# EAGLE board makey_makey_panel_v13 (EAGLE 6.5.0), part 4 of 4
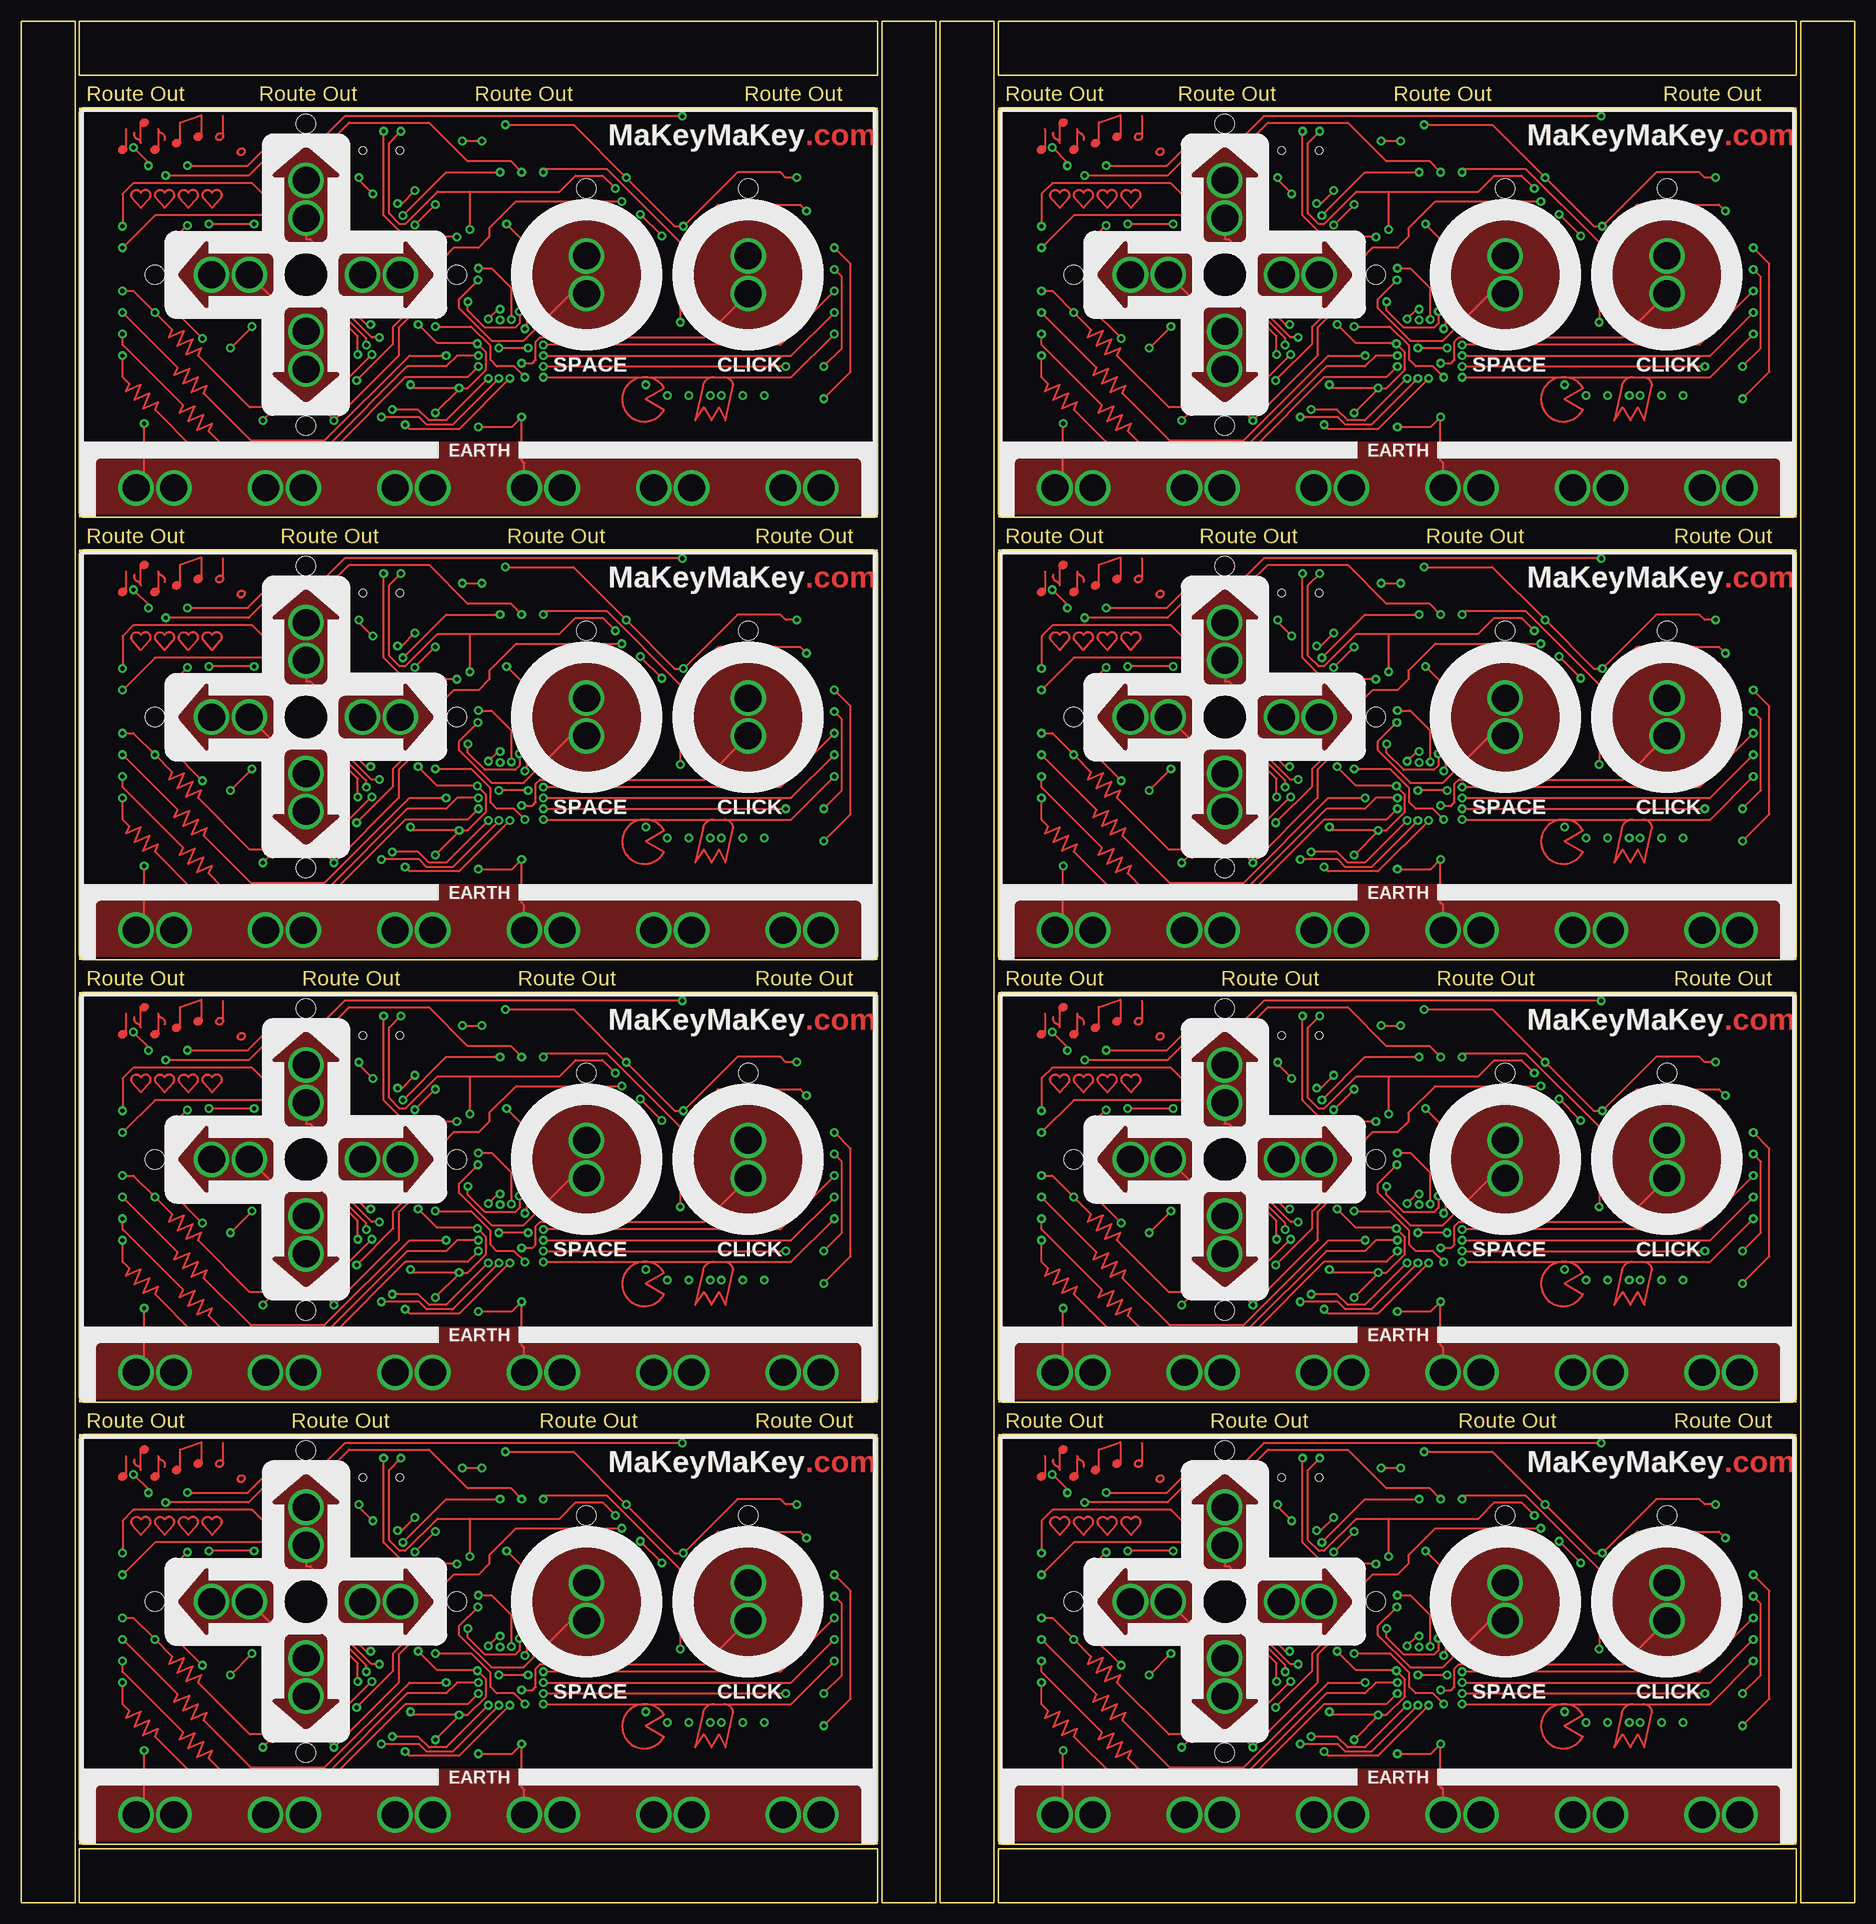
[diagram p0: board, top side]
## Tracks (layer width: path | path; a pad name or v marks a point on that pad's centre or on a via) (continued)
N$171  (via drill 0.51) (continued)
  Bottom 0.254: 139.93,71.88 144.91,71.88 145.16,71.63 R169.2 146.6,73.95 v147.7,75.06 | LED61.A 125.07,89.3 139.93,74.44 139.93,71.88 | v159.51,91.95 LED59.C | v150.88,104.39 149.99,103.5 144.15,103.5 143.53,104.12 LED60.A | LED62.C 139.93,71.88
N$172  (via drill 0.51)
  Top 0.254: v136.65,70.36 137.54,71.25 144.15,71.25 v145.03,70.36 152.65,77.98 152.65,81.28 157.86,86.49 157.86,89.41 159.13,90.68 162.05,90.68 163.32,91.95 163.32,92.96 166.5,96.14 v178.94,96.14
  Bottom 0.254: LED61.C 127.78,85.7 136.65,76.83 v136.65,70.36 | LED62.A 144.4,69.72 v145.03,70.36 R168.2 | LED57.A 195.6,96.67 195.07,96.14 v178.94,96.14 173.48,96.14 172.95,96.67 LED58.C
N$173  (via drill 0.51)
  Top 0.254: 161.04,97.28 157.23,97.28 153.42,93.47 152.78,93.47 151.51,94.74 151.51,103 v152.91,104.39 | 161.04,97.28 171.58,97.28 173.48,99.19 176.66,99.19 v178.18,97.66 | v161.04,92.84 161.04,97.28
  Bottom 0.254: v161.04,92.84 161.04,91.57 | 161.04,91.57 161.04,86.36 160.38,85.7 LED59.A | v152.91,104.39 151.51,103 140.84,103 139.93,103.91 LED60.C | LED58.A v178.18,97.66 LED57.C | R170.2 161.07,91.53 161.04,91.57
N$174
  Bottom 0.254: X6.VBUS 149.02,97.97 148.46,97.41 145.92,97.41 145.54,97.03 F6.1
N$175
  Bottom 0.254: LED56.C 149.36,95.6 R155.2
N$176
  Bottom 0.254: LED66.A R173.1
  pour Top: 160.3,66.92 160.3,66.98 160.62,67.3 160.93,66.98 160.93,66.92
N$177
  Bottom 0.254: R174.1 LED65.A
  pour Top: 161.71,66.84 161.71,67.34 162.19,67.34 162.34,67.19 162.34,66.85 162.19,66.7 161.71,66.7 161.71,66.84 161.7,66.84
N$178  (via drill 0.51)
  other vias: 181.74,74.55
N$179  (via drill 0.51)
  other vias: 184.28,73.28
N$180  (via drill 0.51)
  other vias: 186.82,73.28
N$181  (via drill 0.51)
  other vias: 189.36,73.28
N$182  (via drill 0.51)
  other vias: 190.63,73.28
N$183  (via drill 0.51)
  other vias: 193.17,73.28
N$184  (via drill 0.51)
  other vias: 195.71,73.28
N$185
  Top 0.254: 134.49,102.23 arc-160 133.73,101.73 arc-160 134.49,102.23
N$186
  Top 0.254: 122.3,105.16 122.3,103 arc70 121.79,103.5 arc-70 121.54,104.27 | 122.3,105.16 122.3,105.28 | 122.56,105.28 arc-160 122.81,105.54 | 122.81,105.54 arc-160 122.56,105.28 | 122.81,105.54 arc160 122.68,105.41 arc160 122.81,105.54 | 122.3,105.16 arc-160 123.06,105.66 arc-160 122.3,105.16 | 122.43,105.16 arc-160 122.94,105.66 arc-160 122.43,105.16 | 122.3,105.41 122.3,105.28 | 122.3,105.28 122.43,105.16 | 122.43,105.16 122.3,105.16 | 122.43,105.16 122.56,105.28
N$187
  Top 0.254: 126.87,103.25 126.87,105.41 129.41,106.3 129.41,104.01 | 126.87,103.25 126.87,103 126.75,103 126.62,103.12 | 129.41,104.01 129.41,103.76 129.03,103.76 | 126.75,103.25 arc-160 126.24,102.74 | 126.24,102.74 arc-160 126.75,103.25 | 126.36,102.87 arc160 126.49,103 arc160 126.36,102.87 | 126.62,103.12 arc-160 126.36,102.87 | 126.36,102.87 arc-160 126.62,103.12 | 129.29,104.01 arc-160 128.78,103.5 arc-160 129.29,104.01 | 128.91,103.63 arc160 129.16,103.89 arc160 128.91,103.63 | 129.03,103.76 arc-160 128.91,103.63 | 128.91,103.63 arc-160 129.03,103.76 | 126.87,103.25 arc-160 126.11,102.74 arc-160 126.87,103.25 | 129.41,104.01 arc-160 128.65,103.5 arc-160 129.41,104.01 | 126.24,102.74 126.62,103.12 | 126.87,103.25 126.75,103.25 | 126.75,103.25 126.62,103.12 | 129.03,103.76 128.91,103.63 | 129.41,104.01 129.29,104.01 | 129.29,104.01 129.03,103.76
N$188
  Top 0.254: 124.33,102.49 124.33,104.65 arc70 124.84,104.14 arc-70 125.09,103.38 | 124.33,102.49 124.33,102.23 123.95,102.23 | 124.21,102.49 arc-160 123.7,101.98 arc-160 124.21,102.49 | 123.83,102.11 arc160 124.08,102.36 arc160 123.83,102.11 | 123.95,102.23 arc-160 123.83,102.11 | 123.83,102.11 arc-160 123.95,102.23 | 124.33,102.49 arc-160 123.57,101.98 arc-160 124.33,102.49 | 124.33,102.49 124.21,102.49 | 124.21,102.49 123.95,102.23
N$189
  Top 0.254: 120.52,104.65 120.52,102.49 | 120.52,102.49 120.52,102.23 120.14,102.23 | 120.52,102.49 arc-160 119.76,101.98 arc-160 120.52,102.49 | 120.02,102.11 arc160 120.27,102.36 arc160 120.02,102.11 | 120.14,102.23 arc-160 120.02,102.11 | 120.02,102.11 arc-160 120.14,102.23 | 120.4,102.49 arc-160 119.89,101.98 arc-160 120.4,102.49 | 120.52,102.49 120.4,102.49 | 120.4,102.49 120.14,102.23
N$190
  Bottom 0.254: LED64.A 203.09,96.51 202.69,96.9 R171.1
N$191
  Bottom 0.254: R172.1 120.56,97.45 119.62,96.51 LED63.A
N$192
  Top 0.254: 131.95,106.17 131.95,104.01 | 131.95,104.01 arc-160 131.19,103.5 arc-160 131.95,104.01
N$193
  pour Top: 160.3,66.92 160.3,66.98 160.62,67.3 160.93,66.98 160.93,66.92
N$194
  pour Top: 161.71,66.84 161.71,67.34 162.19,67.34 162.34,67.19 162.34,66.85 162.19,66.7 161.71,66.7 161.71,66.84 161.7,66.84
N$195
  Top 0.254: 121.28,96.52 arc-190 122.3,97.16 arc-190 123.32,96.52 122.3,95.38 121.28,96.52
N$196
  Top 0.254: 124.08,96.52 arc-190 125.09,97.16 arc-190 126.11,96.52 125.09,95.38 124.08,96.52
N$197
  Top 0.254: 126.87,96.52 arc-190 127.89,97.16 arc-190 128.91,96.52 127.89,95.38 126.87,96.52
N$198
  Top 0.254: 129.67,96.52 arc-190 130.68,97.16 arc-190 131.7,96.52 130.68,95.38 129.67,96.52
N$199
  Bottom 0.254: U7.16 173.95,132.12 174.5,131.57 177.16,131.57 | 177.16,131.57 178.05,131.57 178.56,132.08 C51.1 | Y7.1 177.21,133.21 177.21,131.62 177.16,131.57
N$200
  Bottom 0.254: U7.17 173.99,131.32 174.87,130.44 Y7.3 174.87,128.28 175.22,127.93 C50.1
N$201
  Bottom 0.254: U7.6 C52.2
N$202
  Bottom 0.254: X7.D- 149.82,150.41 151,149.22 152.65,149.22 155.96,145.92 162.05,145.92 163.32,144.65 R177.2
N$203
  Bottom 0.254: X7.D+ 150.62,150.37 151.26,149.73 152.91,149.73 156.21,146.43 163.07,146.43 164.59,144.91 R176.2
N$204  (via drill 0.51)
  Top 0.254: v147.7,127.13 152.02,131.44 152.02,133.48 157.35,138.81 157.35,144.02 | v159.51,144.02 157.35,144.02 | v150.88,156.46 150.88,146.56 153.42,144.02 157.35,144.02
  Bottom 0.254: 139.93,123.95 144.91,123.95 145.16,123.7 R198.2 146.6,126.02 v147.7,127.13 | LED72.A 125.07,141.37 139.93,126.51 139.93,123.95 | v159.51,144.02 LED70.C | v150.88,156.46 149.99,155.57 144.15,155.57 143.53,156.19 LED71.A | LED73.C 139.93,123.95
N$205  (via drill 0.51)
  Top 0.254: v136.65,122.43 137.54,123.32 144.15,123.32 v145.03,122.43 152.65,130.05 152.65,133.35 157.86,138.56 157.86,141.48 159.13,142.75 162.05,142.75 163.32,144.02 163.32,145.03 166.5,148.21 v178.94,148.21
  Bottom 0.254: LED72.C 127.78,137.77 136.65,128.91 v136.65,122.43 | LED73.A 144.4,121.79 v145.03,122.43 R197.2 | LED68.A 195.6,148.74 195.07,148.21 v178.94,148.21 173.48,148.21 172.95,148.74 LED69.C
N$206  (via drill 0.51)
  Top 0.254: 161.04,149.35 157.23,149.35 153.42,145.54 152.78,145.54 151.51,146.81 151.51,155.07 v152.91,156.46 | 161.04,149.35 171.58,149.35 173.48,151.26 176.66,151.26 v178.18,149.73 | v161.04,144.91 161.04,149.35
  Bottom 0.254: v161.04,144.91 161.04,143.64 | 161.04,143.64 161.04,138.43 160.38,137.77 LED70.A | v152.91,156.46 151.51,155.07 140.84,155.07 139.93,155.98 LED71.C | LED69.A v178.18,149.73 LED68.C | R199.2 161.07,143.6 161.04,143.64
N$207
  Bottom 0.254: X7.VBUS 149.02,150.04 148.46,149.48 145.92,149.48 145.54,149.1 F7.1
N$208
  Bottom 0.254: LED67.C 149.36,147.67 R184.2
N$209
  Bottom 0.254: LED77.A R202.1
  pour Top: 160.3,118.99 160.3,119.05 160.62,119.37 160.93,119.05 160.93,118.99
N$210
  Bottom 0.254: R203.1 LED76.A
  pour Top: 161.71,118.91 161.71,119.41 162.19,119.41 162.34,119.26 162.34,118.92 162.19,118.77 161.71,118.77 161.71,118.91 161.7,118.91
N$211  (via drill 0.51)
  other vias: 181.74,126.62
N$212  (via drill 0.51)
  other vias: 184.28,125.35
N$213  (via drill 0.51)
  other vias: 186.82,125.35
N$214  (via drill 0.51)
  other vias: 189.36,125.35
N$215  (via drill 0.51)
  other vias: 190.63,125.35
N$216  (via drill 0.51)
  other vias: 193.17,125.35
N$217  (via drill 0.51)
  other vias: 195.71,125.35
N$218
  Top 0.254: 134.49,154.31 arc-160 133.73,153.8 arc-160 134.49,154.31
N$219
  Top 0.254: 122.3,157.23 122.3,155.07 arc70 121.79,155.57 arc-70 121.54,156.34 | 122.3,157.23 122.3,157.35 | 122.56,157.35 arc-160 122.81,157.61 | 122.81,157.61 arc-160 122.56,157.35 | 122.81,157.61 arc160 122.68,157.48 arc160 122.81,157.61 | 122.3,157.23 arc-160 123.06,157.73 arc-160 122.3,157.23 | 122.43,157.23 arc-160 122.94,157.73 arc-160 122.43,157.23 | 122.3,157.48 122.3,157.35 | 122.3,157.35 122.43,157.23 | 122.43,157.23 122.3,157.23 | 122.43,157.23 122.56,157.35
N$220
  Top 0.254: 126.87,155.32 126.87,157.48 129.41,158.37 129.41,156.08 | 126.87,155.32 126.87,155.07 126.75,155.07 126.62,155.19 | 129.41,156.08 129.41,155.83 129.03,155.83 | 126.75,155.32 arc-160 126.24,154.81 | 126.24,154.81 arc-160 126.75,155.32 | 126.36,154.94 arc160 126.49,155.07 arc160 126.36,154.94 | 126.62,155.19 arc-160 126.36,154.94 | 126.36,154.94 arc-160 126.62,155.19 | 129.29,156.08 arc-160 128.78,155.57 arc-160 129.29,156.08 | 128.91,155.7 arc160 129.16,155.96 arc160 128.91,155.7 | 129.03,155.83 arc-160 128.91,155.7 | 128.91,155.7 arc-160 129.03,155.83 | 126.87,155.32 arc-160 126.11,154.81 arc-160 126.87,155.32 | 129.41,156.08 arc-160 128.65,155.57 arc-160 129.41,156.08 | 126.24,154.81 126.62,155.19 | 126.87,155.32 126.75,155.32 | 126.75,155.32 126.62,155.19 | 129.03,155.83 128.91,155.7 | 129.41,156.08 129.29,156.08 | 129.29,156.08 129.03,155.83
N$221
  Top 0.254: 124.33,154.56 124.33,156.72 arc70 124.84,156.21 arc-70 125.09,155.45 | 124.33,154.56 124.33,154.31 123.95,154.31 | 124.21,154.56 arc-160 123.7,154.05 arc-160 124.21,154.56 | 123.83,154.18 arc160 124.08,154.43 arc160 123.83,154.18 | 123.95,154.31 arc-160 123.83,154.18 | 123.83,154.18 arc-160 123.95,154.31 | 124.33,154.56 arc-160 123.57,154.05 arc-160 124.33,154.56 | 124.33,154.56 124.21,154.56 | 124.21,154.56 123.95,154.31
N$222
  Top 0.254: 120.52,156.72 120.52,154.56 | 120.52,154.56 120.52,154.31 120.14,154.31 | 120.52,154.56 arc-160 119.76,154.05 arc-160 120.52,154.56 | 120.02,154.18 arc160 120.27,154.43 arc160 120.02,154.18 | 120.14,154.31 arc-160 120.02,154.18 | 120.02,154.18 arc-160 120.14,154.31 | 120.4,154.56 arc-160 119.89,154.05 arc-160 120.4,154.56 | 120.52,154.56 120.4,154.56 | 120.4,154.56 120.14,154.31
N$223
  Bottom 0.254: LED75.A 203.09,148.58 202.69,148.97 R200.1
N$224
  Bottom 0.254: R201.1 120.56,149.52 119.62,148.58 LED74.A
N$225
  Top 0.254: 131.95,158.24 131.95,156.08 | 131.95,156.08 arc-160 131.19,155.57 arc-160 131.95,156.08
N$226
  pour Top: 160.3,118.99 160.3,119.05 160.62,119.37 160.93,119.05 160.93,118.99
N$227
  pour Top: 161.71,118.91 161.71,119.41 162.19,119.41 162.34,119.26 162.34,118.92 162.19,118.77 161.71,118.77 161.71,118.91 161.7,118.91
N$228
  Top 0.254: 121.28,148.59 arc-190 122.3,149.22 arc-190 123.32,148.59 122.3,147.45 121.28,148.59
N$229
  Top 0.254: 124.08,148.59 arc-190 125.09,149.22 arc-190 126.11,148.59 125.09,147.45 124.08,148.59
N$230
  Top 0.254: 126.87,148.59 arc-190 127.89,149.22 arc-190 128.91,148.59 127.89,147.45 126.87,148.59
N$231
  Top 0.254: 129.67,148.59 arc-190 130.68,149.22 arc-190 131.7,148.59 130.68,147.45 129.67,148.59
N$232
  Bottom 0.254: U8.16 173.95,184.19 174.5,183.64 177.16,183.64 | 177.16,183.64 178.05,183.64 178.56,184.15 C59.1 | Y8.1 177.21,185.28 177.21,183.69 177.16,183.64
N$233
  Bottom 0.254: U8.17 173.99,183.39 174.87,182.51 Y8.3 174.87,180.35 175.22,180 C58.1
N$234
  Bottom 0.254: U8.6 C60.2
N$235
  Bottom 0.254: X8.D- 149.82,202.48 151,201.29 152.65,201.29 155.96,197.99 162.05,197.99 163.32,196.72 R206.2
N$236
  Bottom 0.254: X8.D+ 150.62,202.44 151.26,201.8 152.91,201.8 156.21,198.5 163.07,198.5 164.59,196.98 R205.2
N$237  (via drill 0.51)
  Top 0.254: v147.7,179.2 152.02,183.51 152.02,185.55 157.35,190.88 157.35,196.09 | v159.51,196.09 157.35,196.09 | v150.88,208.53 150.88,198.63 153.42,196.09 157.35,196.09
  Bottom 0.254: 139.93,176.02 144.91,176.02 145.16,175.77 R227.2 146.6,178.09 v147.7,179.2 | LED83.A 125.07,193.44 139.93,178.58 139.93,176.02 | v159.51,196.09 LED81.C | v150.88,208.53 149.99,207.65 144.15,207.65 143.53,208.26 LED82.A | LED84.C 139.93,176.02
N$238  (via drill 0.51)
  Top 0.254: v136.65,174.5 137.54,175.39 144.15,175.39 v145.03,174.5 152.65,182.12 152.65,185.42 157.86,190.63 157.86,193.55 159.13,194.82 162.05,194.82 163.32,196.09 163.32,197.1 166.5,200.28 v178.94,200.28
  Bottom 0.254: LED83.C 127.78,189.84 136.65,180.97 v136.65,174.5 | LED84.A 144.4,173.86 v145.03,174.5 R226.2 | LED79.A 195.6,200.81 195.07,200.28 v178.94,200.28 173.48,200.28 172.95,200.81 LED80.C
N$239  (via drill 0.51)
  Top 0.254: 161.04,201.42 157.23,201.42 153.42,197.61 152.78,197.61 151.51,198.88 151.51,207.14 v152.91,208.53 | 161.04,201.42 171.58,201.42 173.48,203.33 176.66,203.33 v178.18,201.8 | v161.04,196.98 161.04,201.42
  Bottom 0.254: v161.04,196.98 161.04,195.71 | 161.04,195.71 161.04,190.5 160.38,189.84 LED81.A | v152.91,208.53 151.51,207.14 140.84,207.14 139.93,208.05 LED82.C | LED80.A v178.18,201.8 LED79.C | R228.2 161.07,195.67 161.04,195.71
N$240
  Bottom 0.254: X8.VBUS 149.02,202.11 148.46,201.55 145.92,201.55 145.54,201.17 F8.1
N$241
  Bottom 0.254: LED78.C 149.36,199.74 R213.2
N$242
  Bottom 0.254: LED88.A R231.1
  pour Top: 160.3,171.06 160.3,171.12 160.62,171.44 160.93,171.12 160.93,171.06
N$243
  Bottom 0.254: R232.1 LED87.A
  pour Top: 161.71,170.98 161.71,171.48 162.19,171.48 162.34,171.33 162.34,170.99 162.19,170.84 161.71,170.84 161.71,170.98 161.7,170.98
N$244  (via drill 0.51)
  other vias: 181.74,178.69
N$245  (via drill 0.51)
  other vias: 184.28,177.42
N$246  (via drill 0.51)
  other vias: 186.82,177.42
N$247  (via drill 0.51)
  other vias: 189.36,177.42
N$248  (via drill 0.51)
  other vias: 190.63,177.42
N$249  (via drill 0.51)
  other vias: 193.17,177.42
N$250  (via drill 0.51)
  other vias: 195.71,177.42
N$251
  Top 0.254: 134.49,206.38 arc-160 133.73,205.87 arc-160 134.49,206.38
N$252
  Top 0.254: 122.3,209.3 122.3,207.14 arc70 121.79,207.65 arc-70 121.54,208.41 | 122.3,209.3 122.3,209.42 | 122.56,209.42 arc-160 122.81,209.68 | 122.81,209.68 arc-160 122.56,209.42 | 122.81,209.68 arc160 122.68,209.55 arc160 122.81,209.68 | 122.3,209.3 arc-160 123.06,209.8 arc-160 122.3,209.3 | 122.43,209.3 arc-160 122.94,209.8 arc-160 122.43,209.3 | 122.3,209.55 122.3,209.42 | 122.3,209.42 122.43,209.3 | 122.43,209.3 122.3,209.3 | 122.43,209.3 122.56,209.42
N$253
  Top 0.254: 126.87,207.39 126.87,209.55 129.41,210.44 129.41,208.15 | 126.87,207.39 126.87,207.14 126.75,207.14 126.62,207.26 | 129.41,208.15 129.41,207.9 129.03,207.9 | 126.75,207.39 arc-160 126.24,206.88 | 126.24,206.88 arc-160 126.75,207.39 | 126.36,207.01 arc160 126.49,207.14 arc160 126.36,207.01 | 126.62,207.26 arc-160 126.36,207.01 | 126.36,207.01 arc-160 126.62,207.26 | 129.29,208.15 arc-160 128.78,207.65 arc-160 129.29,208.15 | 128.91,207.77 arc160 129.16,208.03 arc160 128.91,207.77 | 129.03,207.9 arc-160 128.91,207.77 | 128.91,207.77 arc-160 129.03,207.9 | 126.87,207.39 arc-160 126.11,206.88 arc-160 126.87,207.39 | 129.41,208.15 arc-160 128.65,207.65 arc-160 129.41,208.15 | 126.24,206.88 126.62,207.26 | 126.87,207.39 126.75,207.39 | 126.75,207.39 126.62,207.26 | 129.03,207.9 128.91,207.77 | 129.41,208.15 129.29,208.15 | 129.29,208.15 129.03,207.9
N$254
  Top 0.254: 124.33,206.63 124.33,208.79 arc70 124.84,208.28 arc-70 125.09,207.52 | 124.33,206.63 124.33,206.38 123.95,206.38 | 124.21,206.63 arc-160 123.7,206.12 arc-160 124.21,206.63 | 123.83,206.25 arc160 124.08,206.5 arc160 123.83,206.25 | 123.95,206.38 arc-160 123.83,206.25 | 123.83,206.25 arc-160 123.95,206.38 | 124.33,206.63 arc-160 123.57,206.12 arc-160 124.33,206.63 | 124.33,206.63 124.21,206.63 | 124.21,206.63 123.95,206.38
N$255
  Top 0.254: 120.52,208.79 120.52,206.63 | 120.52,206.63 120.52,206.38 120.14,206.38 | 120.52,206.63 arc-160 119.76,206.12 arc-160 120.52,206.63 | 120.02,206.25 arc160 120.27,206.5 arc160 120.02,206.25 | 120.14,206.38 arc-160 120.02,206.25 | 120.02,206.25 arc-160 120.14,206.38 | 120.4,206.63 arc-160 119.89,206.12 arc-160 120.4,206.63 | 120.52,206.63 120.4,206.63 | 120.4,206.63 120.14,206.38
N$256
  Bottom 0.254: LED86.A 203.09,200.65 202.69,201.04 R229.1
N$257
  Bottom 0.254: R230.1 120.56,201.59 119.62,200.65 LED85.A
N$258
  Top 0.254: 131.95,210.31 131.95,208.15 | 131.95,208.15 arc-160 131.19,207.65 arc-160 131.95,208.15
N$259
  pour Top: 160.3,171.06 160.3,171.12 160.62,171.44 160.93,171.12 160.93,171.06
N$260
  pour Top: 161.71,170.98 161.71,171.48 162.19,171.48 162.34,171.33 162.34,170.99 162.19,170.84 161.71,170.84 161.71,170.98 161.7,170.98
N$261
  Top 0.254: 121.28,200.66 arc-190 122.3,201.29 arc-190 123.32,200.66 122.3,199.52 121.28,200.66
N$262
  Top 0.254: 124.08,200.66 arc-190 125.09,201.29 arc-190 126.11,200.66 125.09,199.52 124.08,200.66
N$263
  Top 0.254: 126.87,200.66 arc-190 127.89,201.29 arc-190 128.91,200.66 127.89,199.52 126.87,200.66
N$264
  Top 0.254: 129.67,200.66 arc-190 130.68,201.29 arc-190 131.7,200.66 130.68,199.52 129.67,200.66
PD1  (via drill 0.51)
  Top 0.254: 77.6,91.31 68.96,99.95 61.85,99.95 v61.47,99.57 | v92.47,95.01 91.72,95.76 82.04,95.76 77.6,91.31 | 77.6,91.31 v77.6,81.92
  Bottom 0.254: LED20.C v92.47,95.01 | LED22.C 61.99,102.63 61.47,102.11 v61.47,99.57 | U2.22 65.47,75.25 66.55,74.17 71.63,74.17 77.6,80.14 v77.6,81.92
PD2  (via drill 0.51)
  Top 0.254: 77.6,143.38 68.96,152.02 61.85,152.02 v61.47,151.64 | v92.47,147.08 91.72,147.83 82.04,147.83 77.6,143.38 | 77.6,143.38 v77.6,133.99
  Bottom 0.254: LED31.C v92.47,147.08 | LED33.C 61.99,154.7 61.47,154.18 v61.47,151.64 | U3.22 65.47,127.32 66.55,126.24 71.63,126.24 77.6,132.21 v77.6,133.99
PD3  (via drill 0.51)
  Top 0.254: 77.6,195.45 68.96,204.09 61.85,204.09 v61.47,203.71 | v92.47,199.15 91.72,199.9 82.04,199.9 77.6,195.45 | 77.6,195.45 v77.6,186.06
  Bottom 0.254: LED42.C v92.47,199.15 | LED44.C 61.99,206.77 61.47,206.25 v61.47,203.71 | U4.22 65.47,179.39 66.55,178.31 71.63,178.31 77.6,184.28 v77.6,186.06
PD4  (via drill 0.51)
  Top 0.254: 185.8,39.24 177.16,47.88 170.05,47.88 v169.67,47.5 | v200.67,42.94 199.92,43.69 190.25,43.69 185.8,39.24 | 185.8,39.24 v185.8,29.84
  Bottom 0.254: LED53.C v200.67,42.94 | LED55.C 170.19,50.56 169.67,50.04 v169.67,47.5 | U5.22 173.67,23.18 174.75,22.1 179.83,22.1 185.8,28.07 v185.8,29.84
PD5  (via drill 0.51)
  Top 0.254: 77.6,39.24 68.96,47.88 61.85,47.88 v61.47,47.5 | v92.47,42.94 91.72,43.69 82.04,43.69 77.6,39.24 | 77.6,39.24 v77.6,29.84
  Bottom 0.254: LED9.C v92.47,42.94 | LED11.C 61.99,50.56 61.47,50.04 v61.47,47.5 | U1.22 65.47,23.18 66.55,22.1 71.63,22.1 77.6,28.07 v77.6,29.84
PD6  (via drill 0.51)
  Top 0.254: 185.8,91.31 177.16,99.95 170.05,99.95 v169.67,99.57 | v200.67,95.01 199.92,95.76 190.25,95.76 185.8,91.31 | 185.8,91.31 v185.8,81.92
  Bottom 0.254: LED64.C v200.67,95.01 | LED66.C 170.19,102.63 169.67,102.11 v169.67,99.57 | U6.22 173.67,75.25 174.75,74.17 179.83,74.17 185.8,80.14 v185.8,81.92
PD7  (via drill 0.51)
  Top 0.254: 185.8,143.38 177.16,152.02 170.05,152.02 v169.67,151.64 | v200.67,147.08 199.92,147.83 190.25,147.83 185.8,143.38 | 185.8,143.38 v185.8,133.99
  Bottom 0.254: LED75.C v200.67,147.08 | LED77.C 170.19,154.7 169.67,154.18 v169.67,151.64 | U7.22 173.67,127.32 174.75,126.24 179.83,126.24 185.8,132.21 v185.8,133.99
PD8  (via drill 0.51)
  Top 0.254: 185.8,195.45 177.16,204.09 170.05,204.09 v169.67,203.71 | v200.67,199.15 199.92,199.9 190.25,199.9 185.8,195.45 | 185.8,195.45 v185.8,186.06
  Bottom 0.254: LED86.C v200.67,199.15 | LED88.C 170.19,206.77 169.67,206.25 v169.67,203.71 | U8.22 173.67,179.39 174.75,178.31 179.83,178.31 185.8,184.28 v185.8,186.06
PULL-UP  (via drill 0.51)
  Top 0.254: v77.85,54.1 38.1,54.1 35.58,51.58 29.99,51.58 26.68,48.27 v19.57,48.27 | v19.56,41.25 17.65,39.34 17.65,31.62 v21.34,27.94
  Bottom 0.254: R10.2 R11.2 R12.2 R13.2 R14.2 R15.2 88.56,41.57 89.41,42.42 89.41,46.23 84.33,51.31 | 84.33,51.31 81.53,54.1 v77.85,54.1 | SJ1.2 80.52,47.5 84.33,51.31 | R7.2 R6.2 19.77,27.81 | 19.77,27.81 R5.2 R4.2 | v21.34,27.94 19.9,27.94 19.77,27.81 | v19.57,48.27 19.77,48.08 R9.2 R8.2 19.77,41.47 v19.56,41.25
PULL-UP1  (via drill 0.51)
  Top 0.254: v77.85,106.17 38.1,106.17 35.58,103.65 29.99,103.65 26.68,100.34 v19.57,100.34 | v19.56,93.32 17.65,91.42 17.65,83.69 v21.34,80.01
  Bottom 0.254: R44.2 R43.2 R42.2 R41.2 R40.2 R51.2 88.56,93.64 89.41,94.49 89.41,98.3 84.33,103.38 | 84.33,103.38 81.53,106.17 v77.85,106.17 | SJ2.2 80.52,99.57 84.33,103.38 | R45.2 R46.2 19.77,79.88 | 19.77,79.88 R47.2 R48.2 | v21.34,80.01 19.9,80.01 19.77,79.88 | v19.57,100.34 19.77,100.14 R49.2 R50.2 19.77,93.53 v19.56,93.32
PULL-UP2  (via drill 0.51)
  Top 0.254: v77.85,158.24 38.1,158.24 35.58,155.72 29.99,155.72 26.68,152.41 v19.57,152.41 | v19.56,145.39 17.65,143.49 17.65,135.76 v21.34,132.08
  Bottom 0.254: R73.2 R72.2 R71.2 R70.2 R69.2 R80.2 88.56,145.71 89.41,146.56 89.41,150.37 84.33,155.45 | 84.33,155.45 81.53,158.24 v77.85,158.24 | SJ3.2 80.52,151.64 84.33,155.45 | R74.2 R75.2 19.77,131.95 | 19.77,131.95 R76.2 R77.2 | v21.34,132.08 19.9,132.08 19.77,131.95 | v19.57,152.41 19.77,152.22 R78.2 R79.2 19.77,145.6 v19.56,145.39